# KiCad board STM32MP25XXAK with 2 DDR4.kicad_pcb (continued)
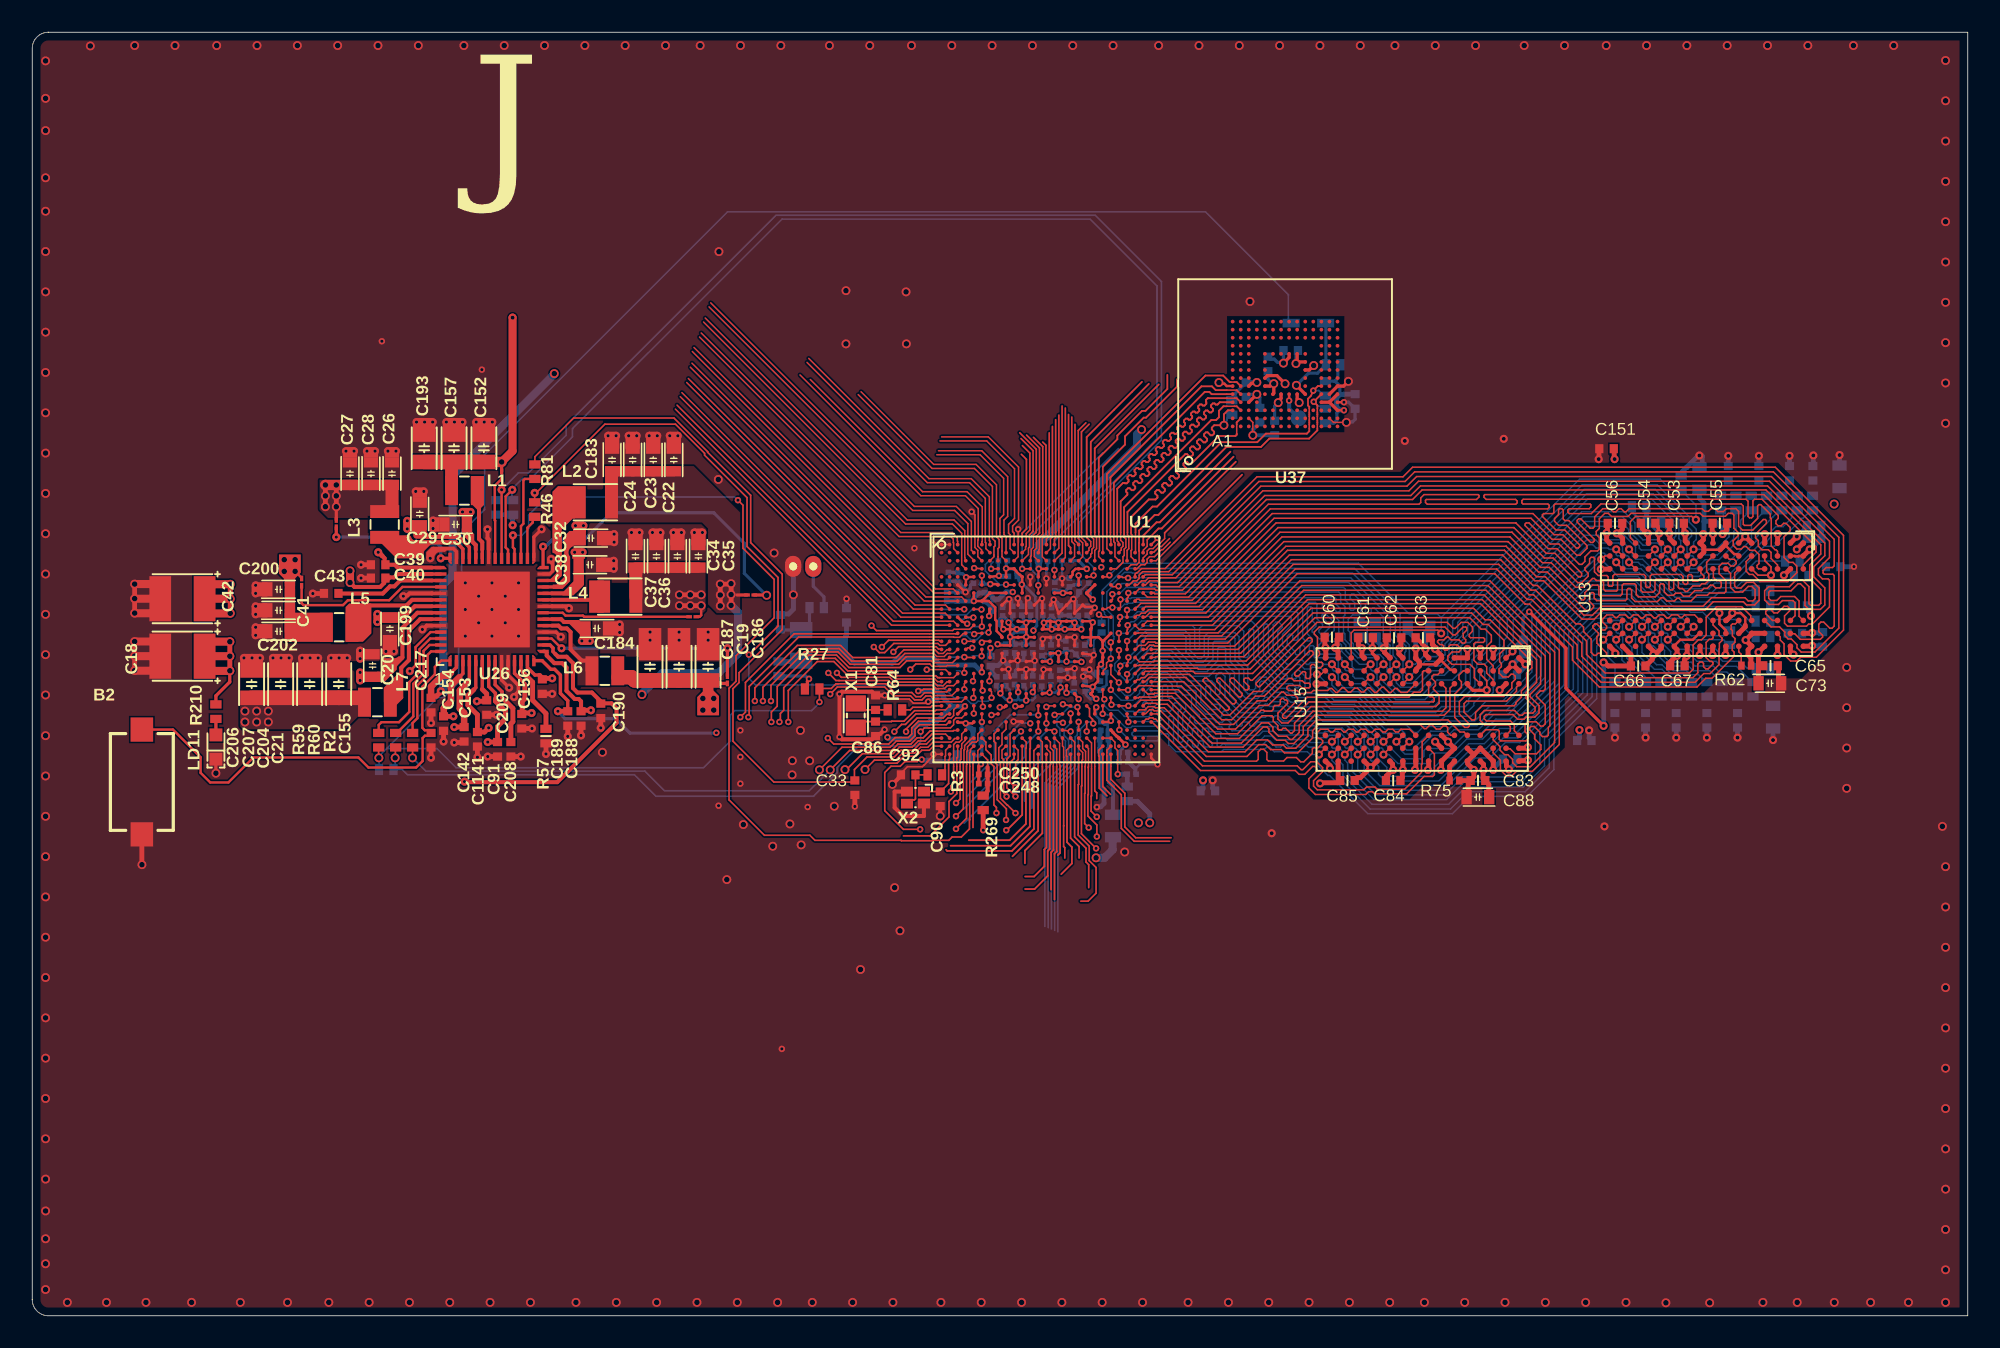
[diagram p0: board, top side]
## Footprints (pads in the part's own frame, mm; a bottom-side part is the same pattern mirrored in y, then rotated) (continued)
IND_2016_MURATA_LQM2MPN2R2NG0
  rect 0.8x1.8 smd: 1(-0.8,0) 2(0.8,0)
IND_2520_TOKO_DFE252012P
  rect 0.8x2 smd: 1(-1,0) 2(1,0)
LED_0603_OSRAM_LG-Q396-PS-35_GREEN_1A2K_H0P4
  rect 0.8x0.8 smd: 1(-0.75,0) 2(0.75,0)
LINK200
  rect 0.2x0.35 smd: 1(0,-0.225) 2(0,0.225)
R0201_H0P23
  rect 0.4x0.5 smd: 1(-0.3,0) 2(0.3,0)
R0402
  rect 0.51x0.7 smd: 1(-0.45,0) 2(0.45,0)
R0402#2
  rect 0.51x0.7 smd: 1(-0.45,0) 2(0.45,0)
R0402#3
  rect 0.51x0.7 smd: 1(-0.45,0) 2(0.45,0)
R0603
  rect 0.64x1 smd: 1(-0.7,0) 2(0.7,0)
SWI_WE_434121025816
  rect 1.5x1.4 smd: 1(-3.25,0) 2(3.25,0)
TP_SMD_1MM
  round 1 smd: 1(0,0)

## Nets
1V8: C118.2 C128.2 C152.2 C157.2 C193.2 C220.2 C236.2 C237.2 C238.2 C239.2 C240.2 C246.2 C253.2 L1.2 LNK1.2 R101.2 R103.2 R104.2 R248.2 R267.2 R269.1 U1.1E1 U1.AD22 U1.AE23 U1.D18 U1.E17 U1.F20 U1.G5 U1.G7 U1.G9 U1.G19 U1.H6 U37.C6 U37.M4 U37.N4 U37.P3 U37.P5
1V8_FB: LNK1.1 U26.35
3V3: C21.2 C154.2 C204.2 C206.2 C207.2 L7.2 U26.3 U26.53
5V_STLK: C18.1 C20.2 C29.2 C30.2 C32.2 C38.2 C42.1 C153.2 C184.2 C188.2 C199.2 C209.2 R210.1 U26.6 U26.11 U26.15 U26.20 U26.24 U26.25 U26.38 U26.39 U26.49 U26.50
5V_VCONN: C1141.1 U26.5
GND: B2.1 C1.1 C2.1 C3.1 C4.1 C5.1 C6.2 C7.1 C8.2 C9.1 C10.1 C11.1 C12.2 C13.1 C14.1 C15.1 C16.1 C17.1 C18.2 C19.1 C20.1 C21.1 C22.1 C23.1 C24.1 C26.1 C27.1 C28.1 C29.1 C30.1 C32.1 C33.1 C34.1 C35.1 C36.1 C37.1 C38.1 C39.1 C40.1 C41.1 C42.2 C43.1 C44.2 C45.1 C46.1 C47.2 C48.1 C49.1 C50.1 C51.1 C52.1 C53.1 C54.1 C55.1 C56.1 C58.1 C59.1 C60.1 C61.1 C62.1 C63.1 C64.1 C65.1 C66.1 C67.1 C68.1 C69.1 C70.2 C71.1 C72.1 C73.1 C74.1 C75.1 C76.1 C77.2 C79.1 C81.2 C82.1 C83.1 C84.1 C85.1 C86.2 C87.1 C88.1 C90.1 C91.2 C92.2 C117.1 C118.1 C128.1 C130.1 C142.2 C145.1 C146.1 C147.1 C148.1 C149.1 C150.1 C151.1 C152.1 C153.1 C154.1 C155.1 C156.1 C157.1 C158.1 C162.1 C170.1 C183.1 C184.1 C185.1 C186.1 C187.1 C188.1 C189.1 C190.2 C192.1 C193.1 C194.1 C195.1 C196.1 C197.1 C198.1 C199.1 C200.1 C201.1 C202.1 C203.1 C204.1 C205.1 C206.1 C207.1 C208.2 C209.1 C211.1 C212.1 C213.1 C214.1 C215.1 C216.1 C217.2 C218.1 C219.1 C220.1 C221.1 C225.1 C234.1 C235.1 C236.1 C237.1 C238.1 C239.1 C240.1 C244.1 C246.1 C248.1 C250.1 C251.1 C252.1 C253.1 C260.1 C1141.2 CN12.2 LD11.2 R57.1 R62.1 R75.1 R142.1 R147.1 R163.1 R174.1 U1.1A1 U1.1A3 U1.1A5 U1.1A7 U1.1A9 U1.1A11 U1.1B2 U1.1B4 U1.1B6 U1.1B8 U1.1B10 U1.1B12 U1.1E7 U1.1E9 U1.1F6 U1.1F8 U1.1F10 U1.1G1 U1.1G3 U1.1G5 U1.1G11 U1.1H2 U1.1H4 U1.1H12 U1.1J1 U1.1J3 U1.1J5 U1.1J7 U1.1J9 U1.1J11 U1.1K2 U1.1K4 U1.1K6 U1.1K8 U1.1K10 U1.1K12 U1.A1 U1.A2 U1.A27 U1.AC3 U1.AC5 U1.AC11 U1.AF6 U1.AG1 U1.AG27 U1.C6 U1.C10 U1.E7 U1.F3 U1.F12 U1.F14 U1.F16 U1.J7 U1.K3 U1.V6 U1.Y4 U13.A2 U13.A8 U13.B2 U13.C9 U13.D2 U13.D8 U13.E1 U13.E3 U13.E8 U13.E9 U13.F1 U13.G8 U13.H1 U13.H9 U13.K1 U13.K9 U13.M9 U13.N1 U13.N9 U13.T1 U13.T3 U15.A2 U15.A8 U15.B2 U15.C9 U15.D2 U15.D8 U15.E1 U15.E3 U15.E8 U15.E9 U15.F1 U15.G8 U15.H1 U15.H9 U15.K1 U15.K9 U15.M9 U15.N1 U15.N9 U15.T1 U15.T3 U26.9 U26.10 U26.18 U26.22 U26.27 U26.36 U26.41 U26.47 U26.52 U26.57 U37.A6 U37.C4 U37.E7 U37.G5 U37.H10 U37.J5 U37.K8 U37.N2 U37.N5 U37.P4 U37.P6 X2.2 X2.4
VBAT: C87.2 D6.3 U1.T6
VDD3V3_USB: C156.2 R286.1 U26.13
VDD_DDR: C13.2 C39.2 C41.2 C53.2 C55.2 C56.2 C60.2 C62.2 C63.2 C65.2 C67.2 C73.2 C75.2 C76.2 C77.1 C82.2 C83.2 C84.2 C88.2 C150.2 C151.2 C162.2 C194.2 C197.2 C200.2 C202.2 C205.2 C218.2 C219.2 C221.2 L5.2 LNK8.2 R141.2 R146.2 U1.1C11 U1.1D12 U1.1E11 U1.1F12 U1.1L11 U1.1M12 U1.M22 U1.N21 U1.R21 U13.A1 U13.A9 U13.B3 U13.B9 U13.C1 U13.D1 U13.D9 U13.F2 U13.F8 U13.G1 U13.G7 U13.G9 U13.J1 U13.J2 U13.J8 U13.J9 U13.L1 U13.L9 U13.R1 U13.T9 U15.A1 U15.A9 U15.B3 U15.B9 U15.C1 U15.D1 U15.D9 U15.F2 U15.F8 U15.G1 U15.G7 U15.G9 U15.J1 U15.J2 U15.J8 U15.J9 U15.L1 U15.L9 U15.R1 U15.T9 U26.43
VDD_DDR_FB: LNK8.1 U26.46
VDD_EMMC: C9.2 C117.2 C190.1 U26.16 U37.E6 U37.F5 U37.J10 U37.K9
VDD_SDCARD: C142.1 U26.4
VDDA1V8_AON: C189.2 C234.2 U1.AB3 U1.W2 U26.14
VDDCORE: C16.2 C22.2 C23.2 C24.2 C44.1 C45.2 C46.2 C47.1 C48.2 C49.2 C50.2 C51.2 C183.2 C192.2 C201.2 L2.2 LNK2.2 R11.1 U1.1C1 U1.1C3 U1.1C5 U1.1D2 U1.1D4 U1.1E3 U1.1E5 U1.1F2 U1.1F4 U1.E5 U1.F4 U1.F8
VDDCORE_FB: LNK2.1 U26.28
VDDCPU: C6.1 C7.2 C8.1 C10.2 C11.2 C26.2 C27.2 C28.2 C64.2 C68.2 C69.2 L3.2 LNK4.1 U1.1C7 U1.1C9 U1.1D6 U1.1D8 U1.1D10 U1.F18 U1.G15 U1.G17
VDDCPU_FB: LNK4.2 U26.42
VDDGPU: C1.2 C2.2 C3.2 C4.2 C5.2 C34.2 C35.2 C36.2 C37.2 C52.2 C58.2 C59.2 L4.2 LNK7.2 U1.1G7 U1.1G9 U1.1H6 U1.1H8 U1.1H10 U1.1L7 U1.1L9 U1.1M6 U1.1M8 U1.1M10
VDDGPU_FB: LNK7.1 U26.21
VDDIO: C12.1 C17.2 C19.2 C70.1 C71.2 C72.2 C74.2 C186.2 C187.2 C196.2 L6.2 LNK11.2 R27.2 R67.2 R260.2 R261.2 U1.1L1 U1.1L3 U1.1L5 U1.1M2 U1.1M4 U1.D10 U1.E9 U1.E11 U1.G11 U26.29
VDDIO_FB: LNK11.1 U26.17
VDDIO_SDCARD: C195.2 C217.1 U1.D14 U1.E13 U26.2
DDR_A0: R177.1 U1.L23 U13.P3 U15.P3
DDR_A1: R190.1 U1.Y22 U13.P7 U15.P7
DDR_A2: R180.1 U1.N23 U13.R3 U15.R3
DDR_A3: R188.1 U1.V22 U13.N7 U15.N7
DDR_A4: R175.1 U1.J21 U13.N3 U15.N3
DDR_A5: R191.1 U1.W21 U13.P8 U15.P8
DDR_A6: R176.1 U1.K24 U13.P2 U15.P2
DDR_A7: R193.1 U1.AA21 U13.R8 U15.R8
DDR_A8: R178.1 U1.M24 U13.R2 U15.R2
DDR_A9: R192.1 U1.AB24 U13.R7 U15.R7
DDR_A10: R166.1 U1.H24 U13.M3 U15.M3
DDR_A11: R182.1 U1.P24 U13.T2 U15.T2
DDR_A12: R186.1 U1.W23 U13.M7 U15.M7
DDR_A13: R194.1 U1.AC23 U13.T8 U15.T8
DDR_ACTN: R168.1 U1.F22 U13.L3 U15.L3
DDR_BA0: R165.1 U1.J23 U13.N2 U15.N2
DDR_BA1: R189.1 U1.AA23 U13.N8 U15.N8
DDR_BG0: R167.1 U1.H22 U13.M2 U15.M2
DDR_CASN: R187.1 U1.T22 U13.M8 U15.M8
DDR_CKE: R171.1 U1.U21 U13.K2 U15.K2
DDR_CLK_N: R181.2 U1.T24 U13.K8 U15.K8
DDR_CLK_P: R181.1 U1.U23 U13.K7 U15.K7
DDR_CSN: R183.1 U1.V24 U13.L7 U15.L7
DDR_DQ0: U1.AB26 U15.F7
DDR_DQ1: U1.AC26 U15.H7
DDR_DQ2: U1.AB27 U15.J7
DDR_DQ3: U1.AC27 U15.H8
DDR_DQ4: U1.W25 U15.J3
DDR_DQ5: U1.W27 U15.H2
DDR_DQ6: U1.W26 U15.H3
DDR_DQ7: U1.Y25 U15.G2
DDR_DQ8: U1.R27 U15.D7
DDR_DQ9: U1.R26 U15.B8
DDR_DQ10: U1.P27 U15.C7
DDR_DQ11: U1.P26 U15.C8
DDR_DQ12: U1.V26 U15.C3
DDR_DQ13: U1.V27 U15.D3
DDR_DQ14: U1.V25 U15.C2
DDR_DQ15: U1.U25 U15.A3
DDR_DQ16: U1.F25 U13.C7
DDR_DQ17: U1.E26 U13.B8
DDR_DQ18: U1.F24 U13.D7
DDR_DQ19: U1.E25 U13.C8
DDR_DQ20: U1.J25 U13.D3
DDR_DQ21: U1.H25 U13.C3
DDR_DQ22: U1.G26 U13.C2
DDR_DQ23: U1.G25 U13.A3
DDR_DQ24: U1.J26 U13.J3
DDR_DQ25: U1.K25 U13.H2
DDR_DQ26: U1.K26 U13.H3
DDR_DQ27: U1.K27 U13.G2
DDR_DQ28: U1.L25 U13.J7
DDR_DQ29: U1.N25 U13.H8
DDR_DQ30: U1.N26 U13.H7
DDR_DQ31: U1.P25 U13.F7
DDR_DQM0: U1.AB25 U15.E7
DDR_DQM1: U1.U26 U15.E2
DDR_DQM2: U1.G27 U13.E2
DDR_DQM3: U1.M25 U13.E7
DDR_DQS0_N: U1.AA26 U15.F3
DDR_DQS0_P: U1.AA25 U15.G3
DDR_DQS1_N: U1.R25 U15.A7
DDR_DQS1_P: U1.T25 U15.B7
DDR_DQS2_N: U1.F26 U13.A7
DDR_DQS2_P: U1.F27 U13.B7
DDR_DQS3_N: U1.L27 U13.F3
DDR_DQS3_P: U1.L26 U13.G3
DDR_ODT: R170.1 U1.P22 U13.K3 U15.K3
DDR_RASN: R185.1 U1.R23 U13.L8 U15.L8
DDR_RESETN: R163.2 U1.E21 U13.P1 U15.P1
DDR_WEN: R169.1 U1.E23 U13.L2 U15.L2
eMMC.SDMMC2_CK: R103.1 U1.B25 U37.M6
eMMC.SDMMC2_CMD: R104.1 U1.D24 U37.M5
eMMC.SDMMC2_D0: R101.1 U1.C24 U37.A3
eMMC.SDMMC2_D1: U1.B23 U37.A4
eMMC.SDMMC2_D2: U1.C23 U37.A5
eMMC.SDMMC2_D3: U1.C25 U37.B2
eMMC.SDMMC2_D4: U1.D22 U37.B3
eMMC.SDMMC2_D5: U1.A23 U37.B4
eMMC.SDMMC2_D6: U1.A22 U37.B5
eMMC.SDMMC2_D7: U1.B22 U37.B6
HSE_IN: C90.2 U1.AG2 X2.1
HSE_OUT: R3.2 U1.AF2
I2C7.SCL: R261.1 U1.E15 U26.33
I2C7.SDA: R260.1 U1.E19 U26.34
MP257_WAKEUP: U1.AF5 U26.32
NetB2_2: B2.2 C155.2 U26.1
NetC14_2: C14.2 D6.2 R66.2
NetC15_2: C15.2 C252.2 C260.2 R11.2 U1.AB20 U1.AB22 U1.AC21
NetC43_2: C43.2 U26.45
NetC54_2: C54.2 R146.1 R147.2 U13.M1
NetC61_2: C61.2 R141.1 R142.2 U15.M1
NetC79_2: C79.2 C130.2 U37.C2
NetC81_1: C81.1 R64.2 X1.1
NetC92_1: C92.1 R3.1 X2.3
NetC208_1: C208.1 U26.8
NetC225_2: C225.2 U1.R7
NetC235_2: C235.2 C244.2 R267.1 U1.AB6
NetC251_2: C251.2 R286.2 U1.AE21 U1.AE22
NetCN12_1: CN12.1 R66.1
NetD6_1: D6.1 R67.1
NetD7_1: D7.1 R248.1 U37.K5
NetL1_1: L1.1 U26.37
NetL2_1: L2.1 U26.26
NetL3_1: L3.1 U26.40
NetL4_1: L4.1 U26.23
NetL5_1: L5.1 U26.48
NetL6_1: L6.1 U26.19
NetL7_1: L7.1 U26.51
NetLD11_1: LD11.1 R210.2
NetR2_2: R2.2 U26.56
NetR46_2: R46.2 U26.30
NetR57_2: R57.2 U26.12
NetR59_2: R59.2 U26.54
NetR60_2: R60.2 U26.55
NetR62_2: R62.2 U13.F9
NetR75_2: R75.2 U15.F9
NetR81_2: R81.2 U26.31
NetR174_2: R174.2 U1.K22
NetTP21_1: TP21.1 U37.H5
NRST: C33.2 R81.1 U1.AE1
NRSTC1MS: D7.2 R27.1 R59.1 R272.1 U1.W3
OSC32_IN: C86.1 U1.AA2 X1.2
OSC32_OUT: R64.1 U1.AA1
PMIC_WAKEUPn: R46.1 U1.W7
PWR_CPU_ON: R60.1 R272.2 U1.AB4
PWR_ON: R2.1 U1.AD3
VPP_DDR: C66.2 C85.2 C91.1 C158.2 C203.2 U13.B1 U13.R9 U15.B1 U15.R9 U26.7
VREF+: C248.2 C250.2 R269.2 U1.AG6
VTT_DDR: C40.2 C145.2 C146.2 C147.2 C148.2 C149.2 C170.2 C185.2 C198.2 C211.2 C212.2 C213.2 C214.2 C215.2 C216.2 R165.2 R166.2 R167.2 R168.2 R169.2 R170.2 R171.2 R175.2 R176.2 R177.2 R178.2 R180.2 R182.2 R183.2 R185.2 R186.2 R187.2 R188.2 R189.2 R190.2 R191.2 R192.2 R193.2 R194.2 U26.44

Pads without a net: U1 A3 A6 A7 A10 A11 A14 A15 A18 A19 A26 AA3 AA5 AA7 AA9 AA11 AA13 AA15 AA17 AA19 AB1 AB2 AB8 AB10 AB12 AB14 AB16 AB18 AC2 AC7 AC9 AC13 AC15 AC17 AC19 AC25 AD4 AD6 AD8 AD10 AD12 AD14 AD16 AD18 AD20 AD24 AD25 AE2 AE3 AE4 AE5 AE6 AE7 AE8 AE9 AE10 AE11 AE12 AE13 AE14 AE15 AE16 AE17 AE18 AE19 AE20 AE24 AE25 AE26 AF1 AF3 AF7 AF9 AF10 AF11 AF13 AF14 AF15 AF17 AF18 AF19 AF21 AF22 AF23 AF25 AF26 AF27 AG5 AG9 AG10 AG13 AG14 AG17 AG18 AG21 AG22 AG25 AG26 B1 B2 B3 B5 B6 B7 B9 B10 B11 B13 B14 B15 B17 B18 B19 B21 B26 B27 C2 C3 C4 C5 C7 C8 C9 C11 C12 C13 C14 C15 C16 C17 C18 C19 C20 C21 C22 C26 C27 D3 D4 D6 D8 D12 D16 D20 D25 E1 E2 E3 F1 F2 F6 F10 G2 G3 G13 G21 G23 H3 H4 J1 J2 J3 J5 K1 K2 K4 K6 L2 L3 L5 L7 L21 M3 M4 M6 N1 N2 N3 N5 N7 P1 P2 P3 P4 P6 R2 R3 R5 T3 T4 U1 U2 U3 U5 U7 V1 V2 V3 V4 W5 Y3 Y6 Y24; U13 P9 T7; U15 P9 T7; U37 A1 A2 A7 A8 A9 A10 A11 A12 A13 A14 B1 B7 B8 B9 B10 B11 B12 B13 B14 C1 C3 C5 C7 C8 C9 C10 C11 C12 C13 C14 D1 D2 D3 D4 D12 D13 D14 E1 E2 E3 E5 E8 E9 E10 E12 E13 E14 F1 F2 F3 F10 F12 F13 F14 G1 G2 G3 G10 G12 G13 G14 H1 H2 H3 H12 H13 H14 J1 J2 J3 J12 J13 J14 K1 K2 K3 K6 K7 K10 K12 K13 K14 L1 L2 L3 L12 L13 L14 M1 M2 M3 M7 M8 M9 M10 M11 M12 M13 M14 N1 N3 N6 N7 N8 N9 N10 N11 N12 N13 N14 P1 P2 P7 P8 P9 P10 P11 P12 P13 P14

## Via types
v1: diameter 0.4, hole 0.2, Top Layer to Bottom Layer, 235 vias
v2: diameter 0.55, hole 0.35, Top Layer to Bottom Layer, 256 vias
v3: diameter 0.5, hole 0.25, Top Layer to Bottom Layer, 147 vias
v4: diameter 0.5, hole 0.2, Top Layer to Bottom Layer, 146 vias

## Routing (per net, layer and track width the routed paths; a pad name or vN(x,y) marks a point on that pad's centre or on a via; arc(x,y) is an arc through that point)
1V8: length 134.2
  Top Layer w0.1: v1(55.05,30.17) 54.01,30.17 52.85,31.32 52.85,33.69 53.24,34.08 53.81,34.08 54.1,34.37 54.86,34.37 54.97,34.47 55.13,34.47 v1(55.15,34.49)
  Top Layer w0.15: 64.87,46.32 64.68,46.32 64.5,46.14 64.5,45.95 64.38,45.83 U1.E17 ; U1.H6 59.3,44.32 59.7,43.93 59.7,43.17 59.79,43.08 59.79,42.46 60.09,42.17 60.09,42.14 60.13,42.1 U1.1E1 ; U1.H6 v1(58.38,44.32) U1.G5 ; U1.H6 U1.G7 U1.G9 ; U37.P3 v1(81.33,56.15) ; v1(65.38,46.32) 65.37,46.32 U1.D18
  Top Layer w0.18: U1.F20 U1.G19 65.38,44.81 65.4,44.79 65.4,44.77 v1(65.76,44.41) ; v1(67.78,35.42) U1.AE23 67.37,35.82 67.26,35.93 67.24,35.93 67,36.17 67,36.19 66.88,36.32 U1.AD22
  Top Layer w0.2: v2(75.93,57.88) 75.88,57.83 75.6,57.83 U37.C6 ; LNK1.2 v2(29.1,52.95) ; U37.N4 U37.P5 ; U37.N4 U37.P3 ; U37.N4 U37.M4
  Top Layer w0.3: R269.1 58.96,30.12 v1(58.96,30.11)
  Top Layer w0.5: v2(29.1,52.95) 29.78,53.63 v3(29.78,61.9)
  Top Layer w0.64: C152.2 v2(29.1,52.95)
  Top Layer w0.8: L1.2 26,52.9 26.05,52.95 C157.2
  Top Layer w0.9: C157.2 C152.2 ; C193.2 26.05,52.95
  Signal Layer 2 2 w0.15: 65.64,40.57 65.89,40.33 65.89,40.24 65.93,40.2 65.93,39.85
  Signal Layer 2 2 w0.2: 65.93,39.85 65.35,39.27 65.35,38.83 65.55,38.63 65.55,37.53 67.57,35.51 67.63,35.51 67.73,35.42 v1(67.78,35.42) 67.04,34.68 67.04,33.9 66.9,33.75 66.9,33.01 65.6,31.71 65.6,31.43 63.86,29.69 59.39,29.69 v1(58.96,30.11) ; v1(55.05,30.17) 55.45,29.77 58.6,29.77 58.94,30.11 ; 65.28,41.58 65.28,40.93 65.64,40.57 ; 65.93,46.95 65.93,46.87 v1(65.38,46.32) 65.38,45.73 65.79,45.32 65.79,44.61 ; 65.73,44.41 65.73,44.41 65.38,44.05 65.38,43.23 65.28,43.14 65.28,42.89 65.44,42.74 65.44,42.41 65.28,42.25 65.28,41.59 63.44,41.59 63.08,41.96 63.08,42.14 62.81,42.41 62.73,42.41 62.32,42.81 62.32,44.14 62.2,44.26 62.2,44.6 61.89,44.91 60.81,44.91 v1(60.79,44.88)
  Signal Layer 2 2 w0.64: 61.41,52.96 65.97,48.4 65.97,46.99 ; v2(29.1,52.95) 61.41,52.95
  Bottom Layer w0.18: v1(67.78,35.42) 67.78,35.38 67.57,35.17 67.57,35.16 67.46,35.05 67.46,35.01 67.44,34.99 67.39,34.99 ; v1(65.76,44.41) 65.76,44.46 65.59,44.63 65.59,44.8 C238.2
  Bottom Layer w0.2: C239.2 64.86,46.84 v1(65.38,46.32) ; 80.77,57.96 81.07,57.66 81.07,57.14 ; 80.77,57.96 R103.2 ; 80.77,57.96 80.95,58.14 80.95,58.82 R248.2 ; C118.2 75.24,57.88 75.08,57.72 75.08,57.7 74.58,57.2 74.58,56.93 74.42,56.77 R101.2 ; R104.2 80.69,55.35 80.89,55.55 80.89,56 81.06,56.17
  Bottom Layer w0.25: 67.39,34.39 67.39,34.92
  Bottom Layer w0.3: 58.98,44.85 C240.2 59.13,44.85 59.15,44.82 59.19,44.82 59.3,44.71 59.4,44.71 59.54,44.57 59.54,44.47 C220.2 59.63,44.43 59.91,44.43 60.37,44.89 60.78,44.89 v1(60.79,44.88) ; 59.03,44.82 58.69,44.82 58.39,44.53 58.39,44.34 v1(58.38,44.32) ; v1(55.15,34.49) 55.17,34.47 55.24,34.47 55.26,34.45 55.61,34.45 55.69,34.37 56.98,34.37 57.12,34.52 57.22,34.52 57.32,34.63 R267.2 ; v1(58.38,44.32) C236.2 56.7,44.32 ; v1(58.38,44.32) 58.39,44.32 ; C118.2 v2(75.93,57.88) ; v1(81.33,56.15) 81.31,56.17 81.06,56.17 80.87,56.37 80.87,56.93 81.07,57.14 81.31,57.14 81.33,57.15 C128.2
1V8_FB: length 5.1
  Top Layer w0.15: LNK1.1 28.68,51.47 28.68,49.34 28.7,49.31 U26.35
3V3: length 15.3
  Top Layer w0.15: v4(23.41,39.98) 23.76,40.33 23.76,41.47 24.7,42.4 U26.53 ; 25.12,42.37 25.42,42.37 25.45,42.4
  Top Layer w0.21: U26.3 26.7,39.82 26.47,39.6
  Top Layer w0.3: 25.48,37.17 C154.2 26.09,37.17
  Top Layer w0.4: C154.2 25.51,37.19 25.51,37.68 25.96,38.13 25.96,39.08 26.47,39.6
  Top Layer w0.9: 20.39,38.3 20.36,38.32 C21.2 13.59,38.32
  vias: v2(13.19,37.5) v2(13.19,36.82) v2(13.91,37.5) v2(13.91,36.82) v2(14.64,37.5) v2(14.64,36.82) v4(26.11,37.17)
5V_STLK: length 58.9
  Top Layer w0.15: 32.8,45.2 33.13,45.52 33.13,47.73 33.39,47.99 33.82,47.99 33.93,48.1
  Top Layer w0.2: R210.1 11.39,38.45 12.24,39.31 12.24,39.99
  Top Layer w0.21: U26.11 29.9,39.84 30.54,39.2 30.54,38.97 ; U26.20 32.23,43.2 ; U26.39 27.1,47.66 26.46,48.3 24.48,48.3 24.26,48.51 24.26,48.81 24.03,49.05 ; U26.24 32.21,44.8 ; U26.38 27.5,47.52 ; 27.9,38.85 U26.6 ; 31.67,41.2 U26.15 31.79,41.2 ; 24.78,44 U26.49 ; 24.78,43.6 U26.50 ; U26.25 32.8,45.2
  Top Layer w0.25: 31.9,41.09 31.9,40.95 32.37,40.47 32.85,40.47 33.13,40.2 33.13,38.76 33.63,38.25 33.88,38.25 34.03,38.1 34.03,37.55 ; 21.1,39.75 21.88,39.75 22.95,40.82 22.95,42.67 23.88,43.6 24.78,43.6 ; 33.58,45.12 33.25,44.8 32.21,44.8 ; 27.5,47.52 27.5,47.8 26.99,48.31 26.99,49.01 26.93,49.07 ; 33.58,43.03 33.85,43.03 33.97,42.9 34.05,42.9 34.25,42.7 34.25,42.62 34.25,42.63 33.98,42.63 33.58,43.03 ; 33.58,43.03 33.36,43.03 ; 33.36,43.03 34.08,42.31 v4(34.08,41.85) ; 33.36,43.03 32.96,43.03 32.79,43.2 32.23,43.2 ; 22.18,43.27 22.99,43.27 23.72,44 24.78,44
  Top Layer w0.3: 30.35,37.38 30.38,37.38 ; 30.38,37.38 v4(30.96,37.38) ; 30.38,37.38 30.38,38.1 30.54,38.27 30.54,38.97 ; v4(27.57,38.11) 28.18,38.11 28.17,38.11 28.17,38.58 27.9,38.85 ; 12.25,40 12.25,41.8 ; 12.28,43.56 12.28,45.36 ; 34.03,37.55 v4(34.64,37.55)
  Top Layer w0.5: 10.69,39.99 12.27,39.99 ; C18.1 12.27,40.91 ; 10.69,41.81 12.27,41.81 ; 10.69,43.56 12.27,43.56 ; 10.69,45.37 12.27,45.37 ; C42.1 12.27,44.47
  Top Layer w0.6: 33.58,45.12 33.9,45.45 33.9,46.17
  vias: v2(12.28,45.36) v2(12.28,44.46) v2(12.28,43.56) v2(12.25,41.8) v2(12.25,40.9) v2(12.25,40) v4(20.33,39.9) v4(20.33,39.4) v4(21.4,43.52) v4(21.4,43.02) v4(23.25,49.3) v4(23.25,48.8) v4(26.68,49.85) v4(27.18,49.85) v4(33.63,47.35) v4(33.68,49) v4(34.13,47.35) v4(34.18,49) v4(34.58,41.85)
5V_VCONN: length 5.7
  Top Layer w0.21: U26.5 27.5,38.95 27.38,38.83
  Top Layer w0.3: 27.38,38.83 27.01,38.46 27.01,37.87 27.6,37.27 C1141.1 28.04,36.2 v4(28.3,36.46)
GND: length 240.8
  Top Layer w0.09: 92.21,35.26 92.54,35.26 ; U1.C10 61.13,47.07 v1(61.13,48.77) ; U1.Y4 57.86,38.32 57.61,38.07 56.27,38.07 56.27,38.07 55.57,38.07 v1(55.55,38.09) ; 58.45,48.42 58.45,47.65 58.63,47.47 58.63,47.07 U1.C6 ; U1.A1 U1.A2 ; v1(58.82,34.21) 58.63,34.4 58.63,35.05 58.88,35.3 U1.AF6 ; 109.78,42.3 109.8,42.33 ; v2(81.48,55.4) 80.68,55.4 U37.N2
  Top Layer w0.1: 79.64,39.18 79.64,39.21 ; 79.64,39.21 79.64,39.2 ; 79.64,39.21 79.63,39.21 ; U13.D2 107.41,47.11 107.41,46.83 107.8,46.45 v3(107.8,45.93) 107,45.93 U13.E3 ; U1.A27 69.76,48.21 v1(69.76,48.24) ; 53.24,33.04 v2(53.33,32.96) ; C92.2 53.86,33.65 54.26,34.05 55.19,34.05 55.28,34.14 55.29,34.14 55.5,34.35 55.5,34.36 55.77,34.63 55.77,34.64 55.88,34.74 v1(55.88,34.82) U1.AG1 ; v1(55.55,38.09) 55.46,37.99 54.62,37.99 54.37,38.24 53.11,38.24 52.88,38.47 v1(52.85,38.47) ; 90.17,38.81 90.18,38.8 90.18,39.39 89.82,39.75 89.82,39.96 89.78,40 ; 58.45,48.42 58.45,49.66 v1(58.24,49.86) ; v1(55.88,47.82) U1.A1
  Top Layer w0.15: U1.1A1 60.44,44.39 60.48,44.39 60.53,44.44 60.55,44.44 ; v1(62.88,45.72) U1.F14 ; U1.1E7 62.82,42.07 62.72,41.97 62.66,41.97 ; U1.1F8 v1(63.63,42.07) ; U1.1B2 60.63,44.37 60.55,44.44 ; v1(60.84,36.85) 61.29,36.85 61.3,36.84 61.36,36.84 U1.AC11 ; U1.1F10 v1(64.63,42.07) U1.1E9 ; 59.35,43.61 U1.J7 ; 59.35,43.61 59.35,43.3 59.33,43.27 ; 59.35,43.61 v1(59.33,43.4) ; 59.35,43.61 59.35,43.82 U1.J7 ; U1.J7 59.39,43.81 ; 61.13,44.47 61.13,44.08 U1.1A3 ; v1(57.97,42.92) 57.64,43.06 U1.K3 ; 60.55,44.44 v1(60.56,44.44) ; v2(73.58,57.87) 73.65,57.8 73.91,57.8 74.06,57.66 74.42,57.66 U37.A6 ; U1.1G1 60.13,40.78 60.2,40.71 v1(60.2,40.64) ; 109.8,47.12 109.52,47.12 109.5,47.1 109.3,47.1 109.28,47.12 U13.B2 ; U1.1K2 v1(60.53,40.1) U1.1J1 ; v1(61.73,44.5) 61.63,44.41 U1.1B4 ; U1.AC3 57.41,36.79 57.8,36.79 57.85,36.74 v1(57.87,36.74) 58.29,36.74 U1.AC5 ; 104.61,43.57 104.61,42.9 105.01,42.5 105.01,42.32 ; U1.1K8 v1(64.2,39.57) U1.1K10 ; v1(61.63,40.09) U1.1J5 ; v1(61.63,40.09) U1.1J3 ; v1(61.63,40.09) U1.1K4 ; U1.1J7 v1(62.7,40.07) U1.1K6 ; U1.F3 v1(57.86,44.88) ; 63.85,45.73 U1.F16 ; U1.1H4 v1(62.15,40.62) U1.1G5 ; U1.1H2 v1(61.09,40.64) U1.1G3 ; U37.P4 v1(81.33,56.65) ; U1.1G11 v1(65.81,40.97) U1.1H12 ; v1(69.77,34.2) 69.38,34.59 U1.AG27 ; U1.1B12 65.64,43.59 65.64,43.67 65.87,43.89 65.87,43.92 65.82,43.97 65.25,43.97 65.15,44.07 U1.1A11 U1.1B10 64.63,44.41 64.59,44.45 64.54,44.4 64.45,44.4 U1.1A9 U1.1B8 v1(63.33,44.41) U1.1A7 ; U1.1A5 62.5,44.45 62.57,44.45 62.63,44.5 U1.1B6 ; U1.1F6 62.63,41.95 v1(62.65,41.97) ; U1.E7 v1(59.93,45.89) ; v1(58.93,38.77) 58.93,38.84 58.88,38.89 U1.V6 ; U1.F12 v1(61.88,45.82)
  Top Layer w0.16: v1(65.15,39.65) 65.55,39.65 U1.1K12 ; U1.1J11 65.5,40.07 ; U1.1J9 v1(64.63,40.14)
  Top Layer w0.2: 32.32,46.96 32.27,46.91 32.27,46.19 32.08,46 U26.27 ; v2(77.58,59.08) 77.93,59.43 U37.H10 ; U37.J5 78.43,56.85 78.55,56.72 v2(78.55,56.63) ; v2(77.25,56.63) 77.25,56.72 77.43,56.89 U37.G5 ; C85.1 81.99,33.22 ; v2(81.6,57.95) 81.3,57.65 U37.P6 U37.N5 ; v1(58.82,34.21) 58.68,34.08 C250.1 C248.1 ; 90.18,38.8 90.17,38.79 89.32,38.79 88.98,39.13 88.98,39.2 ; v2(77.68,57.8) 77.17,58.3 76.58,58.3 U37.E7 ; U37.C4 75.88,57.1 75.89,57.1 v2(75.93,57.14) ; 11.39,33.65 LD11.2 ; 105.81,47.93 106.21,48.32 ; v4(32.17,46.93) 32.23,46.87 ; v2(79.45,58.93) 79.18,58.65 U37.K8
  Top Layer w0.21: U26.22 32.23,44 ; 24.78,42.8 U26.52 ; v4(29.57,38.95) 29.1,39.42 U26.9 ; U26.41 26.3,47.39 26.11,47.58 24.88,47.58 24.68,47.37 v4(24.68,46.97) ; v4(32.77,42.1) 32.47,42.4 U26.18 ; U26.10 29.5,39.73 30.14,39.1 30.14,38.72 29.87,38.46 v4(29.87,38.38) ; 24.78,44.8 U26.47 ; U26.36 28.3,47.52
  Top Layer w0.25: v1(52.85,38.47) C81.2 52.06,38.7 50.2,38.7 v1(50.05,38.55) v1(50.05,35.9) 50.2,35.75 52.06,35.75 52.26,35.95 C86.2 52.42,36.08 52.57,36.08 v1(52.84,36.35) ; v2(53.33,32.96) 53.73,33.35 53.73,33.42 C92.2 ; 24.78,42.8 24.46,42.8 24.22,42.56 v4(24.19,42.56) ; v4(28.23,48.77) 28.23,48.21 28.3,48.14 28.3,47.52 ; 104.21,47.93 104.21,48.47 ; 24.78,44.8 23.38,44.8 23.26,44.67 23.06,44.67 v4(23.01,44.62) ; X2.4 55.28,30.99 53.99,30.99 53.47,31.51 53.47,32.51 X2.2 ; 32.23,44 32.83,44 ; 85.76,42.02 85.83,42.02 86.18,41.68 86.18,41.65 86.31,41.52 86.34,41.52 86.34,41.51 86.34,41.39 ; v2(56.29,30.99) C90.1 ; 32.76,42.1 v4(32.77,42.1)
  Top Layer w0.3: 88.98,35.18 89.37,34.79 89.37,34.78 ; 84.98,34.4 84.98,33.85 84.94,33.81 84.94,33.39 84.77,33.22 84.77,33.2 ; U13.N9 100.53,41.19 100.53,40.99 ; 88.99,34.4 89.37,34.78 ; 89.37,34.78 89.78,35.19 ; 89.15,33.19 89.03,33.07 89.03,32.3 88.91,32.17 ; 89.15,33.19 89.38,33.42 89.38,33.85 89,34.23 89,34.38 ; 89.15,33.19 89.18,33.19 C83.1 ; 89.15,33.19 R75.1 ; 92.18,40 91.78,40.4 91.38,40 ; 84.75,41.39 v3(84.77,41.38) ; 6.35,40.01 6.35,41.81 ; 90.58,33.85 90.58,34.4 89.78,35.2 ; 82.58,40.8 82.57,40.8 82.44,40.93 82.44,41.38 82.22,41.6 C61.1 ; 108.21,40.37 108.27,40.31 108.27,39.33 108.41,39.2 ; v4(20.39,46.57) C39.1 ; U13.T1 97.61,48.11 v3(97.61,48.56) 97.66,48.61 97.66,49.1 97.65,49.12 C56.1 ; U15.K1 84.73,41.04 84.73,41.38 84.74,41.38 84.86,41.5 84.86,42.02 ; 34.03,36.65 C188.1 v4(34.03,35.99) ; 107.41,42.32 106.61,42.32 106.61,42.27 106.23,41.9 106.61,41.52 106.38,41.3 106.38,40.97 106.56,40.8 106.56,40.32 ; 24.73,34.58 24.73,35.18 ; 109.81,42.32 110.33,42.32 110.36,42.35 ; 88.18,40.8 88.98,40.8 88.98,41.35 ; 24.73,36.81 C217.2 ; 102.61,41.52 102.61,40.95 102.48,40.82 102.48,40.72 102.43,40.67 102.43,40.32 ; v4(35.25,36.46) 35.25,36.46 35.25,37.06 C190.2 ; v4(17.4,44.79) 18.06,44.79 ; C33.1 v1(51,31.59) 50.98,31.57 ; 86.58,40.8 86.38,41 86.38,41.35 86.34,41.39 ; 101.01,41.52 100.99,41.51 100.99,41.38 100.71,41.1 100.64,41.1 ; C209.1 v4(30.99,36.42) ; 80.21,40.81 80.19,40.83 80.19,40.84 80.2,40.85 80.2,41.41 v3(80.18,41.43) ; v3(82.98,34) 82.98,34 83.38,34.4 ; v3(82.98,34) 82.58,34.4 ; v3(82.98,34) 82.35,33.37 82.15,33.37 81.99,33.22 ; 109.81,47.12 110.21,47.52 ; 80.18,41.42 80.14,41.46 80.14,42.04 80.11,42.07 ; 27.6,34.69 C1141.2 ; 100.04,40.3 100.04,40.34 100.12,40.43 100.17,40.43 100.44,40.7 100.44,40.86 100.48,40.9 ; v3(108.2,40.98) 108.21,40.98 U13.C9 ; C54.1 99.84,49.04 99.84,48.81 100.11,48.53 100.16,48.53 100.21,48.49 U13.N1 ; 104.21,41.52 104.18,41.5 104.18,40.97 ; U13.K1 102.48,48.04 v3(102.48,48.52) 102.4,48.61 C53.1 ; 80.18,39.2 80.17,39.19 79.65,39.19 79.64,39.18 ; C151.1 97.14,53.76 97.14,53.14 v3(97.12,53.12) ; 6.35,43.57 6.35,45.37 ; 86.98,35.6 87.38,35.2 ; U13.T3 97.79,46.3 v3(97.25,46.3) ; v2(6.8,27.97) 6.79,27.98 B2.1 ; 106.21,48.32 106.61,47.92 ; v4(28.24,34.68) C91.2 ; 92.18,35.2 92.68,35.2 ; 86.58,34.4 86.58,33.9 86.53,33.85 ; v4(20.39,45.75) C40.1 ; v4(31.85,34.84) R57.1 ; 104.16,49.15 104.16,48.52 104.21,48.47 ; v4(33.2,35.93) C189.1 ; C208.2 v4(30.29,34.68) ; v4(26.17,35.55) 26.78,35.55 ; v4(25.5,35.61) 25.5,36.21 ; C156.1 v4(32.24,38.57) ; C153.1 v4(28.79,37.27)
  Top Layer w0.5: 6.35,43.57 7.94,43.57 ; 6.35,40.91 C18.2 ; 6.35,44.47 C42.2 ; 6.35,41.82 7.94,41.82 ; 6.35,40.01 7.94,40.01 ; 6.35,45.38 7.94,45.38
  Bottom Layer w0.1: C10.1 65.09,45.07 65.11,45.07 65.35,45.31 65.38,45.31 C238.1 ; 66.3,42.37 66.25,42.37 66.1,42.22 66.1,42.18 65.81,41.89 65.81,41.21 65.84,41.18 ; v1(65.81,40.97) 65.84,41.01
  Bottom Layer w0.15: 64.71,41.58 64.71,41.99 v1(64.63,42.07) ; 100.16,48.53 99.87,48.53 99.64,48.77 99.64,49.39 99.18,49.85 99.18,50.23 ; v1(59.93,45.89) 59.94,45.9 ; v1(63.85,45.72) 64.28,45.72 C69.1 ; C5.1 63.15,39.99 63.07,40.07 v1(62.7,40.07) 62.68,40.06 62.68,39.69 C4.1 ; 63.86,45.74 63.81,45.69 63.59,45.69 C11.1 ; 68.39,33.92 68.67,34.2 v1(69.77,34.2) ; C1.1 63.84,41.86 v1(63.63,42.07) 63.29,42.07 63.16,41.94 C52.1 ; C195.1 62.95,46.29 62.88,46.22 v1(62.88,45.72) ; 63.85,45.77 63.85,46.79
  Bottom Layer w0.2: 64.59,44.45 64.55,44.41 64.44,44.41 64.31,44.28 64.31,44.07 64.24,44 ; 64.59,44.45 64.73,44.31 64.73,44.07 64.8,44 64.8,44 65.38,44 65.44,43.94 65.85,43.94 65.87,43.92 65.89,43.95 ; 64.59,44.45 64.62,44.45 64.84,44.66 64.84,44.8 64.92,44.87 ; 63.16,43.92 63.16,44.24 v1(63.33,44.41) 63.37,44.37 63.42,44.37 63.6,44.19 63.6,44.06 63.68,43.98 ; v1(81.33,56.65) 81.61,56.65 C128.1 82.01,55.59 81.86,55.44 81.51,55.44 v2(81.48,55.4) ; 65.27,39.2 65.27,39.53 v1(65.15,39.65) 65.15,39.7 65.25,39.8 65.25,39.85 65.48,40.07 65.53,40.07 66.15,39.45 66.15,39.42 C77.2 ; 61.13,44.47 61.13,44.44 61.3,44.27 61.3,44.06 61.38,43.99 ; v1(65.81,40.97) 65.43,40.97 65.35,41.05 65.13,41.05 ; 65.84,41.01 65.84,41.18 ; C117.1 v2(77.58,59.08) 77.53,59.13 77.21,59.13 77.01,59.32 76.77,59.32 C9.1 ; C48.1 62.04,40.74 v1(62.15,40.62) 62.15,40.07 62.03,39.95 C74.1 ; 60.17,43.89 60.24,43.96 60.24,44.12 60.25,44.14 60.25,44.14 60.55,44.44 v1(60.56,44.44) ; v1(59.33,43.4) 59.33,43.41 59.53,43.62 59.53,43.78 C220.1 59.53,43.93 ; 59.53,43.86 59.53,43.93 59.48,43.98 59.37,43.98 C240.1 ; v1(64.63,40.14) 64.61,40.13 C58.1 ; C118.1 75.42,57.14 v2(75.93,57.14) 76.11,56.96 C79.1 ; 59.9,45.95 C17.1 ; v1(61.09,40.64) 61.09,40.16 60.96,40.02 60.96,39.75 C72.1 ; v1(61.09,40.64) 61.42,40.64 61.48,40.69 C47.2 ; v1(61.09,40.64) 60.92,40.82 C46.1 ; C12.2 61.54,39.7 61.54,39.95 61.63,40.04 v1(61.63,40.09) ; 60.81,43.99 60.81,43.99 60.73,44.07 60.73,44.38 60.62,44.48 ; C59.1 64.11,40.04 64.2,39.95 v1(64.2,39.57) ; 58.22,45.33 58.16,45.28 58.16,45.1 57.97,44.91 57.88,44.91 57.86,44.89 v1(57.86,44.88) 57.83,44.91 57.83,45.1 C201.1 C192.1 ; 62.58,44.08 62.64,44.08 62.64,44.48 62.63,44.49 ; C236.1 57.86,44.87 ; v1(60.53,40.1) 60.49,40.07 60.49,39.79 60.34,39.63 ; C237.1 57.35,44.88 ; C130.1 77.03,56.41 v2(77.25,56.63) ; C234.1 55.66,38.2 v1(55.55,38.09)
  Bottom Layer w0.25: C251.1 68.39,33.64 68.39,33.92 67.94,34.37 ; 67.94,34.39 67.94,34.99
  Bottom Layer w0.3: 110.03,44.03 110.13,43.92 110.13,43.67 110.21,43.59 110.21,43.56 110.31,43.46 110.31,43.4 ; v3(105.73,35.85) 105.73,36.48 ; v1(60.53,40.1) 60.51,40.12 60.51,40.33 v1(60.2,40.64) ; 110.99,48.94 110.93,48.88 110.93,48.2 110.25,47.53 v3(110.2,47.53) ; v1(60.2,40.64) 60.22,40.66 60.22,40.97 C44.2 ; v1(60.2,40.64) 59.89,40.33 59.45,40.33 C225.1 59.46,40.3 59.51,40.25 59.51,39.89 59.78,39.62 ; 107.05,52.7 v3(107.05,53.33) ; 103.55,52.63 103.55,53.31 103.5,53.35 v3(103.36,53.35) 103.3,53.35 102.58,52.63 102.6,52.6 102.55,52.6 102.33,52.38 102.33,52.25 102.23,52.15 R163.1 ; v3(96.53,36.3) 96.53,35.83 96.68,35.68 ; v3(82.44,41.4) 82.24,41.6 82.24,42.12 ; 105.15,52.7 v3(105.15,53.33) ; 66.2,36.32 66.2,34.91 66.26,34.86 66.26,32.84 66.45,32.65 66.45,31.77 66.24,31.56 66.02,31.56 v1(66,31.55) 65.98,31.53 ; v3(73.19,33.21) 73.19,32.71 C221.1 ; 112.05,52.73 v3(112.05,53.38) ; 92.45,41.03 92.43,41.03 91.78,40.38 ; v3(98.13,35.85) 98.13,36.48 ; 91.78,40.38 v3(91.78,40.4) ; 91.78,40.38 91.15,39.75 ; 86.58,42.58 86.38,42.38 v3(86.38,41.35) ; v3(101.93,35.85) 101.93,36.48 ; C50.1 61.88,44.02 61.88,44.16 61.75,44.28 61.75,44.45 61.73,44.48 v1(61.73,44.5) ; v3(90.58,33.85) 90.58,33.93 91.18,34.53 ; v3(100.03,35.85) 100.03,36.48 ; 110.43,52.73 v3(110.43,53.35) ; C235.1 58.33,35.67 C244.1 58.22,36.44 58.13,36.44 57.89,36.68 57.89,36.72 v1(57.87,36.74) ; 109.73,42.33 110.33,42.33 v3(110.35,42.35) 110.95,42.35 111,42.4 ; C196.1 60,45.85 59.96,45.89 v1(59.93,45.89) 59.93,45.92 59.9,45.95 ; 108.95,52.7 v3(108.95,53.33) ; v1(112.95,46.46) 112.94,46.45 C170.1 ; 47.19,46.9 47.19,43.81 46.9,43.52 46.44,43.52 C14.1 ; C87.1 v1(50.49,44.47) ; v1(62.65,41.97) 62.65,41.95 62.6,41.9 62.6,41.48 C3.1 ; v3(107.93,35.7) 107.93,36.43 ; v3(103.83,35.85) 103.83,36.48 ; v2(75.5,62.9) 75.51,62.91
  vias: v1(21.68,60.44) v1(27.88,58.67) v1(42.55,31.63) v1(43.9,36.3) v1(43.9,34.65) v1(43.9,33) v1(46.48,16.55) v1(48.08,31.55) v1(54.69,47.6) v1(61.1,44.49) v1(62.61,44.48) v1(64.55,44.45) v1(65.54,40.07) v1(65.87,43.91) v2(0.83,77.82) v2(0.83,75.5) v2(0.83,73.5) v2(0.83,70.57) v2(0.83,68.5) v2(0.83,66) v2(0.83,63.5) v2(0.83,61) v2(0.83,58.5) v2(0.83,56) v2(0.83,53.5) v2(0.83,51) v2(0.83,48.5) v2(0.83,46) v2(0.83,43.5) v2(0.83,41) v2(0.83,38.5) v2(0.83,35.97) v2(0.83,33.47) v2(0.83,30.97) v2(0.83,28.47) v2(0.83,25.97) v2(0.83,23.47) v2(0.83,20.97) v2(0.83,18.47) v2(0.83,15.97) v2(0.83,13.47) v2(0.83,10.97) v2(0.83,8.47) v2(0.83,6.5) v2(0.83,4.77) v2(0.83,3.22) v2(0.83,1.62) v2(2.18,0.83) v2(3.6,78.75) v2(4.6,0.83) v2(6.35,45.38) v2(6.35,44.48) v2(6.35,43.58) v2(6.35,41.81) v2(6.35,40.91) v2(6.35,40.01) v2(6.35,78.77) v2(7.05,0.83) v2(8.85,78.77) v2(9.88,0.83) v2(11.44,78.77) v2(11.39,33.65) v2(12.9,0.83) v2(13.94,78.77) v2(15.83,0.83) v2(16.44,78.77) v2(18.39,0.83) v2(18.94,78.77) v2(20.89,0.83) v2(21.44,78.77) v2(23.39,0.83) v2(23.94,78.77) v2(25.89,0.83) v2(26.76,78.77) v2(28.39,0.83) v2(29.26,78.77) v2(30.89,0.83) v2(31.76,78.77) v2(33.71,0.83) v2(34.26,78.77) v2(35.35,34.94) v2(36.21,0.83) v2(36.76,78.77) v2(38.71,0.83) v2(39.26,78.77) v2(41.21,0.83) v2(41.41,78.77) v2(42.54,51.86) v2(42.58,66) v2(43.06,27.05) v2(43.71,0.83) v2(43.91,78.77) v2(44.09,30.46) v2(45.91,29.12) v2(46,47.3) v2(46.21,0.83) v2(46.41,78.77) v2(46.98,30.5) v2(47.13,34.43) v2(47.11,33.55) v2(47.19,44.71) v2(47.63,36.3) v2(47.67,29.2) v2(48.2,34.42) v2(48.36,0.83) v2(49.43,78.77) v2(49.73,31.6) v2(50.45,63.57) v2(50.45,60.27) v2(50.86,0.83) v2(51.35,21.47) v2(51.93,78.77) v2(53.36,0.83) v2(53.47,26.55) v2(53.8,23.87) v2(54.18,63.5) v2(54.2,60.27) v2(54.51,78.77) v2(56.34,0.83) v2(57.01,78.77) v2(58.84,0.83) v2(59.51,78.77) v2(61.34,0.83) v2(62.01,78.77) v2(63.84,0.83) v2(64.51,78.77) v2(66.34,0.83) v2(67.01,78.77) v2(67.73,28.76) v2(68.84,0.83) v2(69.84,78.77) v2(71.66,0.83) v2(72.34,78.77) v2(74.16,0.83) v2(74.84,78.77) v2(76.66,0.83) v2(77.34,78.77) v2(79.16,0.83) v2(79.84,78.77) v2(81.66,0.83) v2(82.34,78.77) v2(84.16,0.83) v2(84.49,78.77) v2(86.31,0.83) v2(86.99,78.77) v2(88.81,0.83) v2(89.49,78.77) v2(91.31,0.83) v2(92.5,78.77) v2(93.81,0.83) v2(95,78.77) v2(96.31,0.83) v2(97.59,78.77) v2(98.81,0.83) v2(100.09,78.77) v2(101.29,0.8) v2(102.59,78.77) v2(104,0.8) v2(105.09,78.77) v2(107.3,0.83) v2(107.59,78.77) v2(109.43,0.83) v2(110.09,78.77) v2(111.73,0.83) v2(112.5,40.21) v2(112.5,37.71) v2(112.5,35.21) v2(112.5,32.71) v2(112.91,78.77) v2(113.98,0.83) v2(115.41,78.77) v2(116.33,0.83) v2(118.43,30.35) v2(118.63,77.85) v2(118.63,75.35) v2(118.63,72.85) v2(118.63,70.35) v2(118.63,67.85) v2(118.63,65.35) v2(118.63,62.85) v2(118.63,60.35) v2(118.63,57.85) v2(118.63,55.35) v2(118.63,27.85) v2(118.63,25.35) v2(118.63,22.85) v2(118.63,20.35) v2(118.63,17.85) v2(118.63,15.35) v2(118.63,12.85) v2(118.63,10.35) v2(118.63,7.85) v2(118.63,5.35) v2(118.63,2.85) v2(118.63,0.83) v3(76.84,29.92) v3(79.63,39.18) v3(84.98,33.85) v3(85.1,54.26) v3(86.53,33.85) v3(86.98,35.6) v3(88.98,41.35) v3(89.38,33.85) v3(90.18,38.8) v3(91.23,54.38) v3(92.73,35.25) v3(97.48,30.35) v3(100.16,48.52) v3(100.5,40.99) v3(102.58,40.93) v3(104.2,48.48) v3(104.18,40.98) v3(104.6,43.58) v3(106.2,48.33) v3(106.23,41.9) v3(110.28,43.4) v4(13.12,40.8) v4(13.63,40.8) v4(13.85,45.3) v4(13.85,44.8) v4(13.85,44) v4(13.85,43.5) v4(13.85,42.7) v4(13.85,42.2) v4(14.13,40.8) v4(14.92,40.8) v4(15.43,40.8) v4(15.93,40.8) v4(16.72,40.8) v4(17.23,40.8) v4(17.73,40.8) v4(18.52,40.8) v4(19.03,40.8) v4(19.45,53.62) v4(19.53,40.8) v4(19.95,53.62) v4(20.33,41.25) v4(20.33,40.75) v4(20.75,53.62) v4(21.25,53.62) v4(21.92,41.2) v4(22.05,53.62) v4(22.43,41.2) v4(22.55,53.62) v4(23.82,55.42) v4(23.78,51.12) v4(24.33,55.42) v4(24.28,51.12) v4(24.73,36.76) v4(24.72,34.61) v4(24.83,55.42) v4(24.85,49.32) v4(24.85,48.82) v4(25.67,55.42) v4(26.18,55.42) v4(26.68,55.42) v4(26.85,45.45) v4(26.85,43.8) v4(26.85,42.15) v4(27.52,55.42) v4(27.6,34.64) v4(27.68,44.62) v4(27.68,42.97) v4(28.03,55.42) v4(28.53,55.42) v4(28.5,45.45) v4(28.5,43.8) v4(28.5,42.15) v4(29.33,44.62) v4(29.33,42.97) v4(30.15,45.45) v4(30.15,43.8) v4(30.15,42.15) v4(33.28,43.87) v4(35.7,54.57) v4(36.08,48.47) v4(36.08,47.97) v4(36.05,46.83) v4(36.05,46.32) v4(36.2,54.57) v4(36.42,42.87) v4(36.42,42.37) v4(36.98,54.57) v4(37.15,48.57) v4(37.48,54.57) v4(37.65,48.57) v4(38.25,54.57) v4(38.3,42.4) v4(38.3,41.9) v4(38.45,48.57) v4(38.75,54.57) v4(38.95,48.57) v4(39.53,54.57) v4(39.75,48.57) v4(40.03,54.57) v4(40.1,42.4) v4(40.1,41.9) v4(40.25,48.57) v4(41.05,48.57) v4(41.55,48.57) v4(41.9,42.4) v4(41.9,41.9)
